# KiCad board RV523_CellTestBoard.final.kicad_pcb (continued)
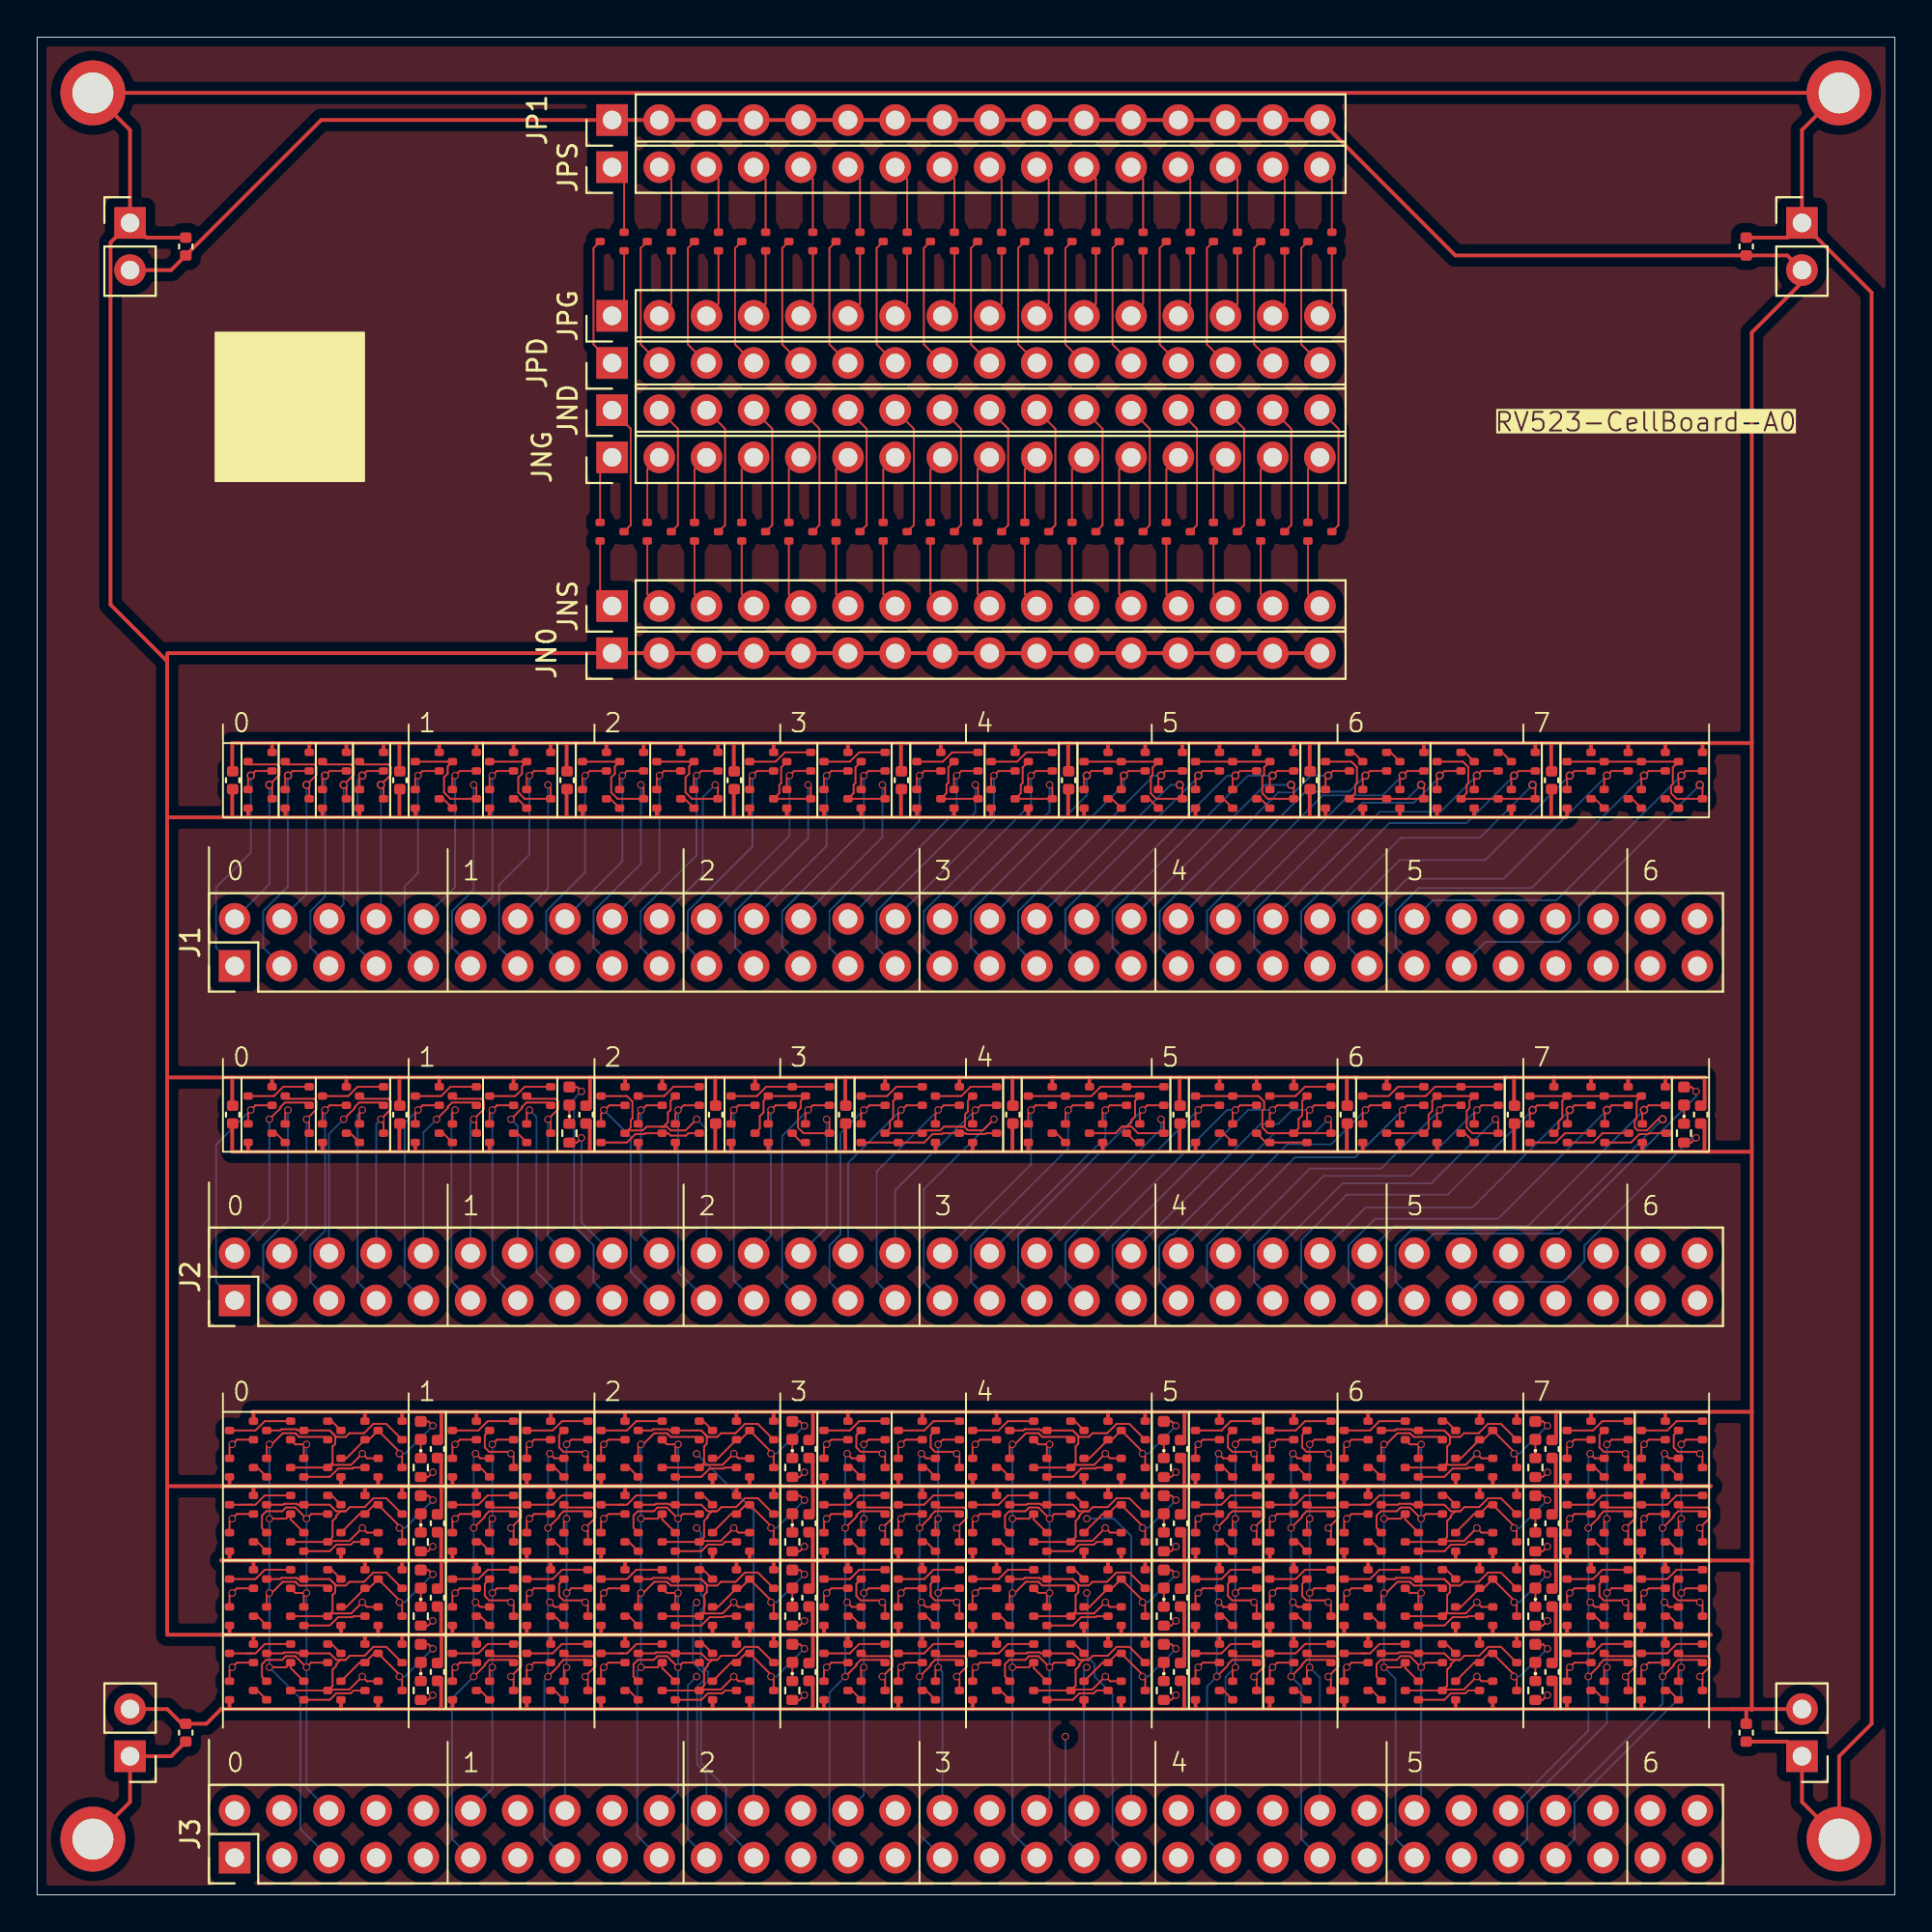
[diagram p0: board, top side]
## Routing (per net, layer and track width the routed paths; a pad name or vN(x,y) marks a point on that pad's centre or on a via; arc(x,y) is an arc through that point) (continued)
genblk2[1].genblk1[1].L.NOT3.intP: length 3.5
  Top w0.1: genblk2[1].genblk1[1].L.NOT3.P2.2 35.75,18.5 36.1,18.85 36.88,18.85 37.03,19 genblk2[1].genblk1[1].L.NOT3.P1.3
genblk2[1].genblk1[1].nQ: length 31.5
  Top w0.1: 36.61,20.65 36.1,20.65 35.75,21 genblk2[1].genblk1[1].L.NOT3.N2.3 34.03,21 33.98,21.05 33.31,21.05 33.26,21 genblk2[1].genblk1[1].L.NOT1.N2.3 ; 36.61,20.65 36.33,20.65 36.1,20.42 36.1,20.33 35.9,20.13 35.9,19.26 genblk2[1].genblk1[1].L.NOT3.P2.3 ; 36.61,20.65 36.83,20.87 37.62,20.87 38.1,21.35 38.79,21.35 genblk2[1].genblk1[1].L.NOT2.N1.1 ; genblk2[1].genblk1[1].R1.P1.1 42.35,20.11 v2(42.5,20.25) 42.75,20.5 genblk2[1].genblk1[1].R1.N1.1 ; genblk2[1].genblk1[1].L.NOT3.P2.3 35.7,19.05 36.8,19.05 v2(37.5,19.75) 37.75,19.5 genblk2[1].genblk1[1].L.NOT2.P1.1 ; genblk2[1].genblk1[1].L.NOT3.P2.3 genblk2[1].genblk1[1].L.NOT1.P2.3 ; genblk2[1].genblk1[1].R2.N1.1 46.75,20.5 v2(46.5,20.25) 46.35,20.11 genblk2[1].genblk1[1].R2.P1.1
  In2.Cu w0.1: 44.2,19.35 43.12,19.35 42.5,19.97 v2(42.5,20.25) ; 44.2,19.35 45.88,19.35 46.5,19.97 v2(46.5,20.25) ; 44.2,19.35 41.55,19.35 41.55,19.35 41.05,19.35 41.05,19.35 37.9,19.35 v2(37.5,19.75)
genblk2[1].genblk1[1].Q: length 8.3
  Top w0.1: v2(41.3,21.25) 41.06,21.48 genblk2[1].genblk1[1].D.L.2 ; genblk2[1].genblk1[1].L.NOT3.P1.1 37.35,20.5 genblk2[1].genblk1[1].L.NOT3.N1.1 38.15,21 genblk2[1].genblk1[1].L.NOT2.N1.3 39.5,19.86 v2(39.5,19.75) 39.65,19.61 genblk2[1].genblk1[1].L.NOT2.P1.3
  Bottom w0.1: v2(39.5,19.75) 39.8,19.75 v2(41.3,21.25)
genblk2[1].genblk1[1].R1.intN: length 3.5
  Top w0.1: genblk2[1].genblk1[1].R1.N1.3 43.75,21 44.25,21.5 genblk2[1].genblk1[1].R1.N2.2
genblk2[1].genblk1[1].R1.intP: length 0.9
  Top w0.1: genblk2[1].genblk1[1].R1.P1.3 43.85,19 genblk2[1].genblk1[1].R1.P2.2
genblk2[1].genblk1[1].R2.intN: length 3.5
  Top w0.1: genblk2[1].genblk1[1].R2.N1.3 47.75,21 48.25,21.5 genblk2[1].genblk1[1].R2.N2.2
genblk2[1].genblk1[1].R2.intP: length 0.9
  Top w0.1: genblk2[1].genblk1[1].R2.P1.3 47.85,19 genblk2[1].genblk1[1].R2.P2.2
genblk2[1].genblk1[2].D.i: length 1
  Top w0.1: genblk2[1].genblk1[2].D.L.1 genblk2[1].genblk1[2].D.R.1
genblk2[1].genblk1[2].L.NOT1.intN: length 0.9
  Top w0.1: genblk2[1].genblk1[2].L.NOT1.N2.2 31.86,15 genblk2[1].genblk1[2].L.NOT1.N1.3
genblk2[1].genblk1[2].L.NOT1.intP: length 3.5
  Top w0.1: genblk2[1].genblk1[2].L.NOT1.P2.2 32.25,17.5 31.75,17 genblk2[1].genblk1[2].L.NOT1.P1.3
genblk2[1].genblk1[2].L.NOT3.intN: length 3.5
  Top w0.1: genblk2[1].genblk1[2].L.NOT3.N1.3 37.03,15 36.98,14.95 36.2,14.95 35.75,14.5 genblk2[1].genblk1[2].L.NOT3.N2.2
genblk2[1].genblk1[2].L.NOT3.intP: length 0.9
  Top w0.1: genblk2[1].genblk1[2].L.NOT3.P2.2 35.85,17.5 genblk2[1].genblk1[2].L.NOT3.P1.3
genblk2[1].genblk1[2].nQ: length 31.5
  Top w0.1: genblk2[1].genblk1[2].R1.P1.1 42.75,16.5 v2(42.5,16.25) 42.35,16.11 genblk2[1].genblk1[2].R1.N1.1 ; genblk2[1].genblk1[2].R2.P1.1 46.75,16.5 v2(46.5,16.25) 46.35,16.11 genblk2[1].genblk1[2].R2.N1.1 ; genblk2[1].genblk1[2].L.NOT2.P1.1 38.79,17.35 38.1,17.35 37.6,16.85 36.81,16.85 36.61,16.65 36.1,16.65 35.75,17 genblk2[1].genblk1[2].L.NOT3.P2.3 34.03,17 33.97,17.06 33.15,17.06 33.09,17 genblk2[1].genblk1[2].L.NOT1.P2.3 ; genblk2[1].genblk1[2].L.NOT3.N2.3 35.9,15.26 35.9,16.14 36.05,16.28 36.05,16.7 35.81,16.93 ; genblk2[1].genblk1[2].L.NOT3.N2.3 genblk2[1].genblk1[2].L.NOT1.N2.3 ; genblk2[1].genblk1[2].L.NOT3.N2.3 35.79,15.15 36.9,15.15 v2(37.5,15.75) 37.75,15.5 genblk2[1].genblk1[2].L.NOT2.N1.1
  In2.Cu w0.1: v2(37.5,15.75) 37.9,15.35 44.2,15.35 ; v2(42.5,16.25) 42.5,15.97 43.12,15.35 44.2,15.35 ; v2(46.5,16.25) 46.5,15.97 45.88,15.35 44.2,15.35
genblk2[1].genblk1[2].Q: length 8.3
  Top w0.1: genblk2[1].genblk1[2].L.NOT2.N1.3 39.65,15.61 v2(39.5,15.75) 39.5,15.86 genblk2[1].genblk1[2].L.NOT2.P1.3 37.85,16.5 genblk2[1].genblk1[2].L.NOT3.P1.1 36.65,15.5 genblk2[1].genblk1[2].L.NOT3.N1.1 ; v2(41.3,17.25) 41.06,17.48 genblk2[1].genblk1[2].D.L.2
  Bottom w0.1: v2(41.3,17.25) 39.8,15.75 v2(39.5,15.75)
genblk2[1].genblk1[2].R1.intN: length 0.9
  Top w0.1: genblk2[1].genblk1[2].R1.N2.2 43.85,15 genblk2[1].genblk1[2].R1.N1.3
genblk2[1].genblk1[2].R1.intP: length 3.5
  Top w0.1: genblk2[1].genblk1[2].R1.P2.2 44.25,17.5 43.75,17 genblk2[1].genblk1[2].R1.P1.3
genblk2[1].genblk1[2].R2.intN: length 0.9
  Top w0.1: genblk2[1].genblk1[2].R2.N1.3 47.85,15 genblk2[1].genblk1[2].R2.N2.2
genblk2[1].genblk1[2].R2.intP: length 3.5
  Top w0.1: genblk2[1].genblk1[2].R2.P2.2 48.25,17.5 47.75,17 genblk2[1].genblk1[2].R2.P1.3
genblk2[1].genblk1[3].D.i: length 1
  Top w0.1: genblk2[1].genblk1[3].D.L.1 genblk2[1].genblk1[3].D.R.1
genblk2[1].genblk1[3].L.NOT1.intN: length 3.7
  Top w0.1: 31.56,13 31.56,13 31.32,13 ; genblk2[1].genblk1[3].L.NOT1.N2.2 32.25,13.5 31.75,13 31.32,13 ; genblk2[1].genblk1[3].L.NOT1.N1.3 31.32,13
genblk2[1].genblk1[3].L.NOT1.intP: length 0.9
  Top w0.1: genblk2[1].genblk1[3].L.NOT1.P1.3 31.86,11 genblk2[1].genblk1[3].L.NOT1.P2.2
genblk2[1].genblk1[3].L.NOT3.intN: length 0.9
  Top w0.1: genblk2[1].genblk1[3].L.NOT3.N2.2 35.85,13.5 genblk2[1].genblk1[3].L.NOT3.N1.3
genblk2[1].genblk1[3].L.NOT3.intP: length 3.5
  Top w0.1: genblk2[1].genblk1[3].L.NOT3.P2.2 35.75,10.5 36.1,10.85 36.88,10.85 37.03,11 genblk2[1].genblk1[3].L.NOT3.P1.3
genblk2[1].genblk1[3].nQ: length 31.6
  Top w0.1: genblk2[1].genblk1[3].R1.P1.1 42.35,12.11 v2(42.5,12.25) 42.75,12.5 genblk2[1].genblk1[3].R1.N1.1 ; genblk2[1].genblk1[3].R2.N1.1 46.75,12.5 v2(46.5,12.25) 46.35,12.11 genblk2[1].genblk1[3].R2.P1.1 ; genblk2[1].genblk1[3].L.NOT1.N2.3 33.26,13 33.31,13.05 33.98,13.05 34.03,13 genblk2[1].genblk1[3].L.NOT3.N2.3 35.75,13 36.1,12.65 36.61,12.65 ; genblk2[1].genblk1[3].L.NOT1.P2.3 genblk2[1].genblk1[3].L.NOT3.P2.3 ; genblk2[1].genblk1[3].L.NOT3.P2.3 35.9,11.26 35.9,12.13 36.1,12.33 36.1,12.42 36.33,12.65 36.61,12.65 ; genblk2[1].genblk1[3].L.NOT3.P2.3 35.7,11.05 36.8,11.05 v2(37.5,11.75) 37.75,11.5 genblk2[1].genblk1[3].L.NOT2.P1.1 ; genblk2[1].genblk1[3].L.NOT2.N1.1 38.79,13.35 38.1,13.35 37.62,12.87 36.83,12.87 36.61,12.65
  In2.Cu w0.1: 44,11.35 43.12,11.35 42.5,11.97 v2(42.5,12.25) ; 44,11.35 41.55,11.35 40.75,12.15 37.9,12.15 v2(37.5,11.75) ; 44,11.35 45.75,11.35 46.5,12.1 v2(46.5,12.25)
genblk2[1].genblk1[3].Q: length 8.3
  Top w0.1: v2(41.3,13.25) 41.06,13.48 genblk2[1].genblk1[3].D.L.2 ; genblk2[1].genblk1[3].L.NOT3.P1.1 37.35,12.5 genblk2[1].genblk1[3].L.NOT3.N1.1 38.15,13 genblk2[1].genblk1[3].L.NOT2.N1.3 39.5,11.86 v2(39.5,11.75) 39.65,11.61 genblk2[1].genblk1[3].L.NOT2.P1.3
  Bottom w0.1: v2(41.3,13.25) 39.8,11.75 v2(39.5,11.75)
genblk2[1].genblk1[3].R1.intN: length 3.5
  Top w0.1: genblk2[1].genblk1[3].R1.N1.3 43.75,13 44.25,13.5 genblk2[1].genblk1[3].R1.N2.2
genblk2[1].genblk1[3].R1.intP: length 0.9
  Top w0.1: genblk2[1].genblk1[3].R1.P1.3 43.85,11 genblk2[1].genblk1[3].R1.P2.2
genblk2[1].genblk1[3].R2.intN: length 3.5
  Top w0.1: genblk2[1].genblk1[3].R2.N1.3 47.75,13 48.25,13.5 genblk2[1].genblk1[3].R2.N2.2
genblk2[1].genblk1[3].R2.intP: length 0.9
  Top w0.1: genblk2[1].genblk1[3].R2.P1.3 47.85,11 genblk2[1].genblk1[3].R2.P2.2
genblk2[2].genblk1[0].D.i: length 1
  Top w0.1: genblk2[2].genblk1[0].D.L.1 genblk2[2].genblk1[0].D.R.1
genblk2[2].genblk1[0].L.NOT1.intN: length 0.9
  Top w0.1: genblk2[2].genblk1[0].L.NOT1.N1.3 51.85,23 genblk2[2].genblk1[0].L.NOT1.N2.2
genblk2[2].genblk1[0].L.NOT1.intP: length 3.5
  Top w0.1: genblk2[2].genblk1[0].L.NOT1.P2.2 52.25,25.5 51.75,25 genblk2[2].genblk1[0].L.NOT1.P1.3
genblk2[2].genblk1[0].L.NOT3.intN: length 3.5
  Top w0.1: genblk2[2].genblk1[0].L.NOT3.N2.2 55.75,22.5 56.2,22.95 56.98,22.95 57.03,23 genblk2[2].genblk1[0].L.NOT3.N1.3
genblk2[2].genblk1[0].L.NOT3.intP: length 0.9
  Top w0.1: genblk2[2].genblk1[0].L.NOT3.P1.3 55.85,25.5 genblk2[2].genblk1[0].L.NOT3.P2.2
genblk2[2].genblk1[0].nQ: length 30.6
  Top w0.1: genblk2[2].genblk1[0].R1.P1.1 62.75,24.5 v2(62.5,24.25) 62.35,24.11 genblk2[2].genblk1[0].R1.N1.1 ; genblk2[2].genblk1[0].L.NOT1.P2.3 53.09,25 53.15,25.06 53.97,25.06 54.03,25 genblk2[2].genblk1[0].L.NOT3.P2.3 55.75,25 56.1,24.65 56.61,24.65 56.81,24.85 57.6,24.85 58.1,25.35 58.79,25.35 genblk2[2].genblk1[0].L.NOT2.P1.1 ; genblk2[2].genblk1[0].L.NOT2.N1.1 57.75,23.5 v2(57.5,23.75) 56.9,23.15 55.79,23.15 genblk2[2].genblk1[0].L.NOT3.N2.3 ; genblk2[2].genblk1[0].L.NOT1.N2.3 genblk2[2].genblk1[0].L.NOT3.N2.3 ; genblk2[2].genblk1[0].L.NOT3.N2.3 55.9,23.26 55.9,24.14 56.05,24.28 56.05,24.7 55.81,24.93 ; genblk2[2].genblk1[0].R2.P1.1 66.75,24.5 v2(66.5,24.25) 66.36,24.11 genblk2[2].genblk1[0].R2.N1.1
  In2.Cu w0.1: 63.33,23.35 62.5,24.18 v2(62.5,24.25) ; 63.33,23.35 65.88,23.35 66.5,23.97 v2(66.5,24.25) ; 63.33,23.35 63.28,23.4 59.72,23.4 59.67,23.35 57.9,23.35 v2(57.5,23.75)
genblk2[2].genblk1[0].Q: length 8.3
  Top w0.1: genblk2[2].genblk1[0].L.NOT3.N1.1 56.65,23.5 genblk2[2].genblk1[0].L.NOT3.P1.1 57.85,24.5 genblk2[2].genblk1[0].L.NOT2.P1.3 59.5,23.86 v2(59.5,23.75) 59.65,23.61 genblk2[2].genblk1[0].L.NOT2.N1.3 ; genblk2[2].genblk1[0].D.L.2 61.06,25.48 v2(61.3,25.25)
  Bottom w0.1: v2(59.5,23.75) 59.8,23.75 v2(61.3,25.25)
genblk2[2].genblk1[0].R1.intN: length 0.9
  Top w0.1: genblk2[2].genblk1[0].R1.N2.2 63.85,23 genblk2[2].genblk1[0].R1.N1.3
genblk2[2].genblk1[0].R1.intP: length 3.5
  Top w0.1: genblk2[2].genblk1[0].R1.P1.3 63.75,25 64.25,25.5 genblk2[2].genblk1[0].R1.P2.2
genblk2[2].genblk1[0].R2.intN: length 0.9
  Top w0.1: genblk2[2].genblk1[0].R2.N2.2 67.86,23 genblk2[2].genblk1[0].R2.N1.3
genblk2[2].genblk1[0].R2.intP: length 3.5
  Top w0.1: genblk2[2].genblk1[0].R2.P2.2 68.25,25.5 67.75,25 genblk2[2].genblk1[0].R2.P1.3
genblk2[2].genblk1[1].D.i: length 1
  Top w0.1: genblk2[2].genblk1[1].D.L.1 genblk2[2].genblk1[1].D.R.1
genblk2[2].genblk1[1].L.NOT1.intN: length 3.7
  Top w0.1: 51.56,21 51.56,21 51.32,21 ; genblk2[2].genblk1[1].L.NOT1.N1.3 51.32,21 ; 51.32,21 51.75,21 52.25,21.5 genblk2[2].genblk1[1].L.NOT1.N2.2
genblk2[2].genblk1[1].L.NOT1.intP: length 0.9
  Top w0.1: genblk2[2].genblk1[1].L.NOT1.P2.2 51.85,19 genblk2[2].genblk1[1].L.NOT1.P1.3
genblk2[2].genblk1[1].L.NOT3.intN: length 0.9
  Top w0.1: genblk2[2].genblk1[1].L.NOT3.N1.3 55.85,21.5 genblk2[2].genblk1[1].L.NOT3.N2.2
genblk2[2].genblk1[1].L.NOT3.intP: length 3.5
  Top w0.1: genblk2[2].genblk1[1].L.NOT3.P2.2 55.75,18.5 56.1,18.85 56.88,18.85 57.03,19 genblk2[2].genblk1[1].L.NOT3.P1.3
genblk2[2].genblk1[1].nQ: length 31.5
  Top w0.1: genblk2[2].genblk1[1].L.NOT3.P2.3 55.7,19.05 56.8,19.05 v2(57.5,19.75) 57.75,19.5 genblk2[2].genblk1[1].L.NOT2.P1.1 ; genblk2[2].genblk1[1].L.NOT3.P2.3 genblk2[2].genblk1[1].L.NOT1.P2.3 ; genblk2[2].genblk1[1].L.NOT3.P2.3 55.9,19.26 55.9,20.13 56.1,20.33 56.1,20.42 56.33,20.65 56.61,20.65 ; genblk2[2].genblk1[1].L.NOT1.N2.3 53.26,21 53.31,21.05 53.98,21.05 54.03,21 genblk2[2].genblk1[1].L.NOT3.N2.3 55.75,21 56.1,20.65 56.61,20.65 ; genblk2[2].genblk1[1].R1.N1.1 62.75,20.5 v2(62.5,20.25) 62.35,20.11 genblk2[2].genblk1[1].R1.P1.1 ; 56.61,20.65 56.83,20.87 57.62,20.87 58.1,21.35 58.79,21.35 genblk2[2].genblk1[1].L.NOT2.N1.1 ; genblk2[2].genblk1[1].R2.N1.1 66.75,20.5 v2(66.5,20.25) 66.36,20.11 genblk2[2].genblk1[1].R2.P1.1
  In2.Cu w0.1: 64.2,19.35 61.55,19.35 61.55,19.35 61.05,19.35 61.05,19.35 57.9,19.35 v2(57.5,19.75) ; 64.2,19.35 63.12,19.35 62.5,19.97 v2(62.5,20.25) ; 64.2,19.35 65.88,19.35 66.5,19.97 v2(66.5,20.25)
genblk2[2].genblk1[1].Q: length 8.3
  Top w0.1: v2(61.3,21.25) 61.06,21.48 genblk2[2].genblk1[1].D.L.2 ; genblk2[2].genblk1[1].L.NOT3.P1.1 57.35,20.5 genblk2[2].genblk1[1].L.NOT3.N1.1 58.15,21 genblk2[2].genblk1[1].L.NOT2.N1.3 59.5,19.86 v2(59.5,19.75) 59.65,19.61 genblk2[2].genblk1[1].L.NOT2.P1.3
  Bottom w0.1: v2(59.5,19.75) 59.8,19.75 v2(61.3,21.25)
genblk2[2].genblk1[1].R1.intN: length 3.5
  Top w0.1: genblk2[2].genblk1[1].R1.N1.3 63.75,21 64.25,21.5 genblk2[2].genblk1[1].R1.N2.2
genblk2[2].genblk1[1].R1.intP: length 0.9
  Top w0.1: genblk2[2].genblk1[1].R1.P1.3 63.85,19 genblk2[2].genblk1[1].R1.P2.2
genblk2[2].genblk1[1].R2.intN: length 3.5
  Top w0.1: genblk2[2].genblk1[1].R2.N1.3 67.75,21 68.25,21.5 genblk2[2].genblk1[1].R2.N2.2
genblk2[2].genblk1[1].R2.intP: length 0.9
  Top w0.1: genblk2[2].genblk1[1].R2.P2.2 67.86,19 genblk2[2].genblk1[1].R2.P1.3
genblk2[2].genblk1[2].D.i: length 1
  Top w0.1: genblk2[2].genblk1[2].D.L.1 genblk2[2].genblk1[2].D.R.1
genblk2[2].genblk1[2].L.NOT1.intN: length 0.9
  Top w0.1: genblk2[2].genblk1[2].L.NOT1.N1.3 51.85,15 genblk2[2].genblk1[2].L.NOT1.N2.2
genblk2[2].genblk1[2].L.NOT1.intP: length 3.5
  Top w0.1: genblk2[2].genblk1[2].L.NOT1.P1.3 51.75,17 52.25,17.5 genblk2[2].genblk1[2].L.NOT1.P2.2
genblk2[2].genblk1[2].L.NOT3.intN: length 3.5
  Top w0.1: genblk2[2].genblk1[2].L.NOT3.N1.3 57.03,15 56.98,14.95 56.2,14.95 55.75,14.5 genblk2[2].genblk1[2].L.NOT3.N2.2
genblk2[2].genblk1[2].L.NOT3.intP: length 0.9
  Top w0.1: genblk2[2].genblk1[2].L.NOT3.P2.2 55.85,17.5 genblk2[2].genblk1[2].L.NOT3.P1.3
genblk2[2].genblk1[2].nQ: length 31.5
  Top w0.1: genblk2[2].genblk1[2].L.NOT1.N2.3 genblk2[2].genblk1[2].L.NOT3.N2.3 ; genblk2[2].genblk1[2].L.NOT3.N2.3 55.9,15.26 55.9,16.14 56.05,16.28 56.05,16.7 55.81,16.93 ; genblk2[2].genblk1[2].L.NOT3.N2.3 55.79,15.15 56.9,15.15 v2(57.5,15.75) 57.75,15.5 genblk2[2].genblk1[2].L.NOT2.N1.1 ; genblk2[2].genblk1[2].L.NOT2.P1.1 58.79,17.35 58.1,17.35 57.6,16.85 56.81,16.85 56.61,16.65 56.1,16.65 55.75,17 genblk2[2].genblk1[2].L.NOT3.P2.3 54.03,17 53.97,17.06 53.15,17.06 53.09,17 genblk2[2].genblk1[2].L.NOT1.P2.3 ; genblk2[2].genblk1[2].R2.P1.1 66.75,16.5 v2(66.5,16.25) 66.36,16.11 genblk2[2].genblk1[2].R2.N1.1 ; genblk2[2].genblk1[2].R1.N1.1 62.35,16.11 v2(62.5,16.25) 62.75,16.5 genblk2[2].genblk1[2].R1.P1.1
  In2.Cu w0.1: 64.2,15.35 65.88,15.35 66.5,15.97 v2(66.5,16.25) ; 64.2,15.35 63.12,15.35 62.5,15.97 v2(62.5,16.25) ; 64.2,15.35 57.9,15.35 v2(57.5,15.75)
genblk2[2].genblk1[2].Q: length 8.3
  Top w0.1: genblk2[2].genblk1[2].L.NOT2.N1.3 59.65,15.61 v2(59.5,15.75) 59.5,15.86 genblk2[2].genblk1[2].L.NOT2.P1.3 57.85,16.5 genblk2[2].genblk1[2].L.NOT3.P1.1 56.65,15.5 genblk2[2].genblk1[2].L.NOT3.N1.1 ; v2(61.3,17.25) 61.06,17.48 genblk2[2].genblk1[2].D.L.2
  Bottom w0.1: v2(59.5,15.75) 59.8,15.75 v2(61.3,17.25)
genblk2[2].genblk1[2].R1.intN: length 0.9
  Top w0.1: genblk2[2].genblk1[2].R1.N2.2 63.85,15 genblk2[2].genblk1[2].R1.N1.3
genblk2[2].genblk1[2].R1.intP: length 3.5
  Top w0.1: genblk2[2].genblk1[2].R1.P2.2 64.25,17.5 63.75,17 genblk2[2].genblk1[2].R1.P1.3
genblk2[2].genblk1[2].R2.intN: length 0.9
  Top w0.1: genblk2[2].genblk1[2].R2.N2.2 67.86,15 genblk2[2].genblk1[2].R2.N1.3
genblk2[2].genblk1[2].R2.intP: length 3.5
  Top w0.1: genblk2[2].genblk1[2].R2.P2.2 68.25,17.5 67.75,17 genblk2[2].genblk1[2].R2.P1.3
genblk2[2].genblk1[3].D.i: length 1
  Top w0.1: genblk2[2].genblk1[3].D.L.1 genblk2[2].genblk1[3].D.R.1
genblk2[2].genblk1[3].L.NOT1.intN: length 3.7
  Top w0.1: 51.56,13 51.56,13 51.32,13 ; genblk2[2].genblk1[3].L.NOT1.N2.2 52.25,13.5 51.75,13 51.32,13 ; genblk2[2].genblk1[3].L.NOT1.N1.3 51.32,13
genblk2[2].genblk1[3].L.NOT1.intP: length 0.9
  Top w0.1: genblk2[2].genblk1[3].L.NOT1.P1.3 51.85,11 genblk2[2].genblk1[3].L.NOT1.P2.2
genblk2[2].genblk1[3].L.NOT3.intN: length 0.9
  Top w0.1: genblk2[2].genblk1[3].L.NOT3.N2.2 55.85,13.5 genblk2[2].genblk1[3].L.NOT3.N1.3
genblk2[2].genblk1[3].L.NOT3.intP: length 3.5
  Top w0.1: genblk2[2].genblk1[3].L.NOT3.P2.2 55.75,10.5 56.1,10.85 56.88,10.85 57.03,11 genblk2[2].genblk1[3].L.NOT3.P1.3
genblk2[2].genblk1[3].nQ: length 31.9
  Top w0.1: 56.61,12.65 56.33,12.65 56.1,12.42 56.1,12.33 55.9,12.13 55.9,11.26 genblk2[2].genblk1[3].L.NOT3.P2.3 ; 56.61,12.65 56.83,12.87 57.62,12.87 58.1,13.35 58.79,13.35 genblk2[2].genblk1[3].L.NOT2.N1.1 ; 56.61,12.65 56.1,12.65 55.75,13 genblk2[2].genblk1[3].L.NOT3.N2.3 54.03,13 53.98,13.05 53.31,13.05 53.26,13 genblk2[2].genblk1[3].L.NOT1.N2.3 ; genblk2[2].genblk1[3].R1.N1.1 62.75,12.5 v2(62.5,12.25) 62.35,12.11 genblk2[2].genblk1[3].R1.P1.1 ; genblk2[2].genblk1[3].L.NOT2.P1.1 57.75,11.5 v2(57.5,11.75) 56.8,11.05 55.7,11.05 genblk2[2].genblk1[3].L.NOT3.P2.3 ; genblk2[2].genblk1[3].L.NOT1.P2.3 genblk2[2].genblk1[3].L.NOT3.P2.3 ; genblk2[2].genblk1[3].R2.N1.1 66.75,12.5 v2(66.5,12.25) 66.36,12.11 genblk2[2].genblk1[3].R2.P1.1
  In2.Cu w0.1: 64.3,11.35 63.12,11.35 62.5,11.97 v2(62.5,12.25) ; 64.3,11.35 65.88,11.35 66.5,11.97 v2(66.5,12.25) ; 64.3,11.35 61.55,11.35 60.75,12.15 57.9,12.15 v2(57.5,11.75)
genblk2[2].genblk1[3].Q: length 8.3
  Top w0.1: genblk2[2].genblk1[3].L.NOT3.P1.1 57.35,12.5 genblk2[2].genblk1[3].L.NOT3.N1.1 58.15,13 genblk2[2].genblk1[3].L.NOT2.N1.3 59.5,11.86 v2(59.5,11.75) 59.65,11.61 genblk2[2].genblk1[3].L.NOT2.P1.3 ; v2(61.3,13.25) 61.06,13.48 genblk2[2].genblk1[3].D.L.2
  Bottom w0.1: v2(61.3,13.25) 59.8,11.75 v2(59.5,11.75)
genblk2[2].genblk1[3].R1.intN: length 3.5
  Top w0.1: genblk2[2].genblk1[3].R1.N2.2 64.25,13.5 63.75,13 genblk2[2].genblk1[3].R1.N1.3
genblk2[2].genblk1[3].R1.intP: length 0.9
  Top w0.1: genblk2[2].genblk1[3].R1.P2.2 63.85,11 genblk2[2].genblk1[3].R1.P1.3
genblk2[2].genblk1[3].R2.intN: length 3.5
  Top w0.1: genblk2[2].genblk1[3].R2.N1.3 67.75,13 68.25,13.5 genblk2[2].genblk1[3].R2.N2.2
genblk2[2].genblk1[3].R2.intP: length 0.9
  Top w0.1: genblk2[2].genblk1[3].R2.P1.3 67.86,11 genblk2[2].genblk1[3].R2.P2.2
genblk2[3].genblk1[0].D.i: length 1
  Top w0.1: genblk2[3].genblk1[0].D.L.1 genblk2[3].genblk1[0].D.R.1
genblk2[3].genblk1[0].L.NOT1.intN: length 0.9
  Top w0.1: genblk2[3].genblk1[0].L.NOT1.N1.3 71.86,23 genblk2[3].genblk1[0].L.NOT1.N2.2
genblk2[3].genblk1[0].L.NOT1.intP: length 3.5
  Top w0.1: genblk2[3].genblk1[0].L.NOT1.P2.2 72.25,25.5 71.75,25 genblk2[3].genblk1[0].L.NOT1.P1.3
genblk2[3].genblk1[0].L.NOT3.intN: length 3.5
  Top w0.1: genblk2[3].genblk1[0].L.NOT3.N2.2 75.75,22.5 76.2,22.95 76.98,22.95 77.03,23 genblk2[3].genblk1[0].L.NOT3.N1.3
genblk2[3].genblk1[0].L.NOT3.intP: length 0.9
  Top w0.1: genblk2[3].genblk1[0].L.NOT3.P2.2 75.86,25.5 genblk2[3].genblk1[0].L.NOT3.P1.3
genblk2[3].genblk1[0].nQ: length 30.9
  Top w0.1: genblk2[3].genblk1[0].L.NOT2.N1.1 77.75,23.5 v2(77.5,23.75) 76.9,23.15 75.79,23.15 genblk2[3].genblk1[0].L.NOT3.N2.3 ; genblk2[3].genblk1[0].L.NOT2.P1.1 78.79,25.35 78.1,25.35 77.6,24.85 76.81,24.85 76.61,24.65 76.1,24.65 75.75,25 genblk2[3].genblk1[0].L.NOT3.P2.3 74.03,25 73.97,25.06 73.15,25.06 73.09,25 genblk2[3].genblk1[0].L.NOT1.P2.3 ; 75.81,24.93 76.05,24.7 76.05,24.28 75.9,24.14 75.9,23.26 genblk2[3].genblk1[0].L.NOT3.N2.3 ; genblk2[3].genblk1[0].L.NOT3.N2.3 genblk2[3].genblk1[0].L.NOT1.N2.3 ; genblk2[3].genblk1[0].R1.N1.1 82.36,24.11 v2(82.5,24.25) 82.75,24.5 genblk2[3].genblk1[0].R1.P1.1 ; genblk2[3].genblk1[0].R2.P1.1 86.75,24.5 v2(86.5,24.25) 86.36,24.11 genblk2[3].genblk1[0].R2.N1.1
  In2.Cu w0.1: 83.6,23.35 83.12,23.35 82.5,23.97 v2(82.5,24.25) ; v2(86.5,24.25) 86.5,23.97 85.88,23.35 77.9,23.35 v2(77.5,23.75)
genblk2[3].genblk1[0].Q: length 8.3
  Top w0.1: genblk2[3].genblk1[0].D.L.2 81.06,25.48 v2(81.3,25.25) ; genblk2[3].genblk1[0].L.NOT3.N1.1 76.64,23.5 genblk2[3].genblk1[0].L.NOT3.P1.1 77.86,24.5 genblk2[3].genblk1[0].L.NOT2.P1.3 79.5,23.86 v2(79.5,23.75) 79.64,23.61 genblk2[3].genblk1[0].L.NOT2.N1.3
  Bottom w0.1: v2(79.5,23.75) 79.8,23.75 v2(81.3,25.25)
genblk2[3].genblk1[0].R1.intN: length 0.9
  Top w0.1: genblk2[3].genblk1[0].R1.N2.2 83.86,23 genblk2[3].genblk1[0].R1.N1.3
genblk2[3].genblk1[0].R1.intP: length 3.5
  Top w0.1: genblk2[3].genblk1[0].R1.P2.2 84.25,25.5 83.75,25 genblk2[3].genblk1[0].R1.P1.3
genblk2[3].genblk1[0].R2.intN: length 0.9
  Top w0.1: genblk2[3].genblk1[0].R2.N2.2 87.86,23 genblk2[3].genblk1[0].R2.N1.3
genblk2[3].genblk1[0].R2.intP: length 3.5
  Top w0.1: genblk2[3].genblk1[0].R2.P2.2 88.25,25.5 87.75,25 genblk2[3].genblk1[0].R2.P1.3
genblk2[3].genblk1[1].D.i: length 1
  Top w0.1: genblk2[3].genblk1[1].D.L.1 genblk2[3].genblk1[1].D.R.1
genblk2[3].genblk1[1].L.NOT1.intN: length 3.7
  Top w0.1: genblk2[3].genblk1[1].L.NOT1.N1.3 71.32,21 ; 71.32,21 71.56,21 71.56,21 ; 71.32,21 71.75,21 72.25,21.5 genblk2[3].genblk1[1].L.NOT1.N2.2
genblk2[3].genblk1[1].L.NOT1.intP: length 0.9
  Top w0.1: genblk2[3].genblk1[1].L.NOT1.P2.2 71.86,19 genblk2[3].genblk1[1].L.NOT1.P1.3
genblk2[3].genblk1[1].L.NOT3.intN: length 0.9
  Top w0.1: genblk2[3].genblk1[1].L.NOT3.N2.2 75.86,21.5 genblk2[3].genblk1[1].L.NOT3.N1.3
genblk2[3].genblk1[1].L.NOT3.intP: length 3.5
  Top w0.1: genblk2[3].genblk1[1].L.NOT3.P2.2 75.75,18.5 76.1,18.85 76.88,18.85 77.03,19 genblk2[3].genblk1[1].L.NOT3.P1.3
genblk2[3].genblk1[1].nQ: length 30.8
  Top w0.1: 76.61,20.65 76.1,20.65 75.75,21 genblk2[3].genblk1[1].L.NOT3.N2.3 74.03,21 73.98,21.05 73.31,21.05 73.26,21 genblk2[3].genblk1[1].L.NOT1.N2.3 ; 76.61,20.65 76.83,20.87 77.62,20.87 78.1,21.35 78.79,21.35 genblk2[3].genblk1[1].L.NOT2.N1.1 ; 76.61,20.65 76.33,20.65 76.1,20.42 76.1,20.33 75.9,20.13 75.9,19.26 genblk2[3].genblk1[1].L.NOT3.P2.3 ; genblk2[3].genblk1[1].L.NOT1.P2.3 genblk2[3].genblk1[1].L.NOT3.P2.3 ; genblk2[3].genblk1[1].L.NOT3.P2.3 75.7,19.05 76.8,19.05 v2(77.5,19.75) 77.75,19.5 genblk2[3].genblk1[1].L.NOT2.P1.1 ; genblk2[3].genblk1[1].R1.N1.1 82.75,20.5 v2(82.5,20.25) 82.36,20.11 genblk2[3].genblk1[1].R1.P1.1 ; genblk2[3].genblk1[1].R2.N1.1 86.75,20.5 v2(86.5,20.25) 86.36,20.11 genblk2[3].genblk1[1].R2.P1.1
  In2.Cu w0.1: 83.5,19.35 83.12,19.35 82.5,19.97 v2(82.5,20.25) ; 83.5,19.35 77.9,19.35 v2(77.5,19.75) ; 83.5,19.35 85.88,19.35 86.5,19.97 v2(86.5,20.25)
genblk2[3].genblk1[1].Q: length 8.3
  Top w0.1: genblk2[3].genblk1[1].D.L.2 81.06,21.48 v2(81.3,21.25) ; genblk2[3].genblk1[1].L.NOT3.P1.1 77.36,20.5 genblk2[3].genblk1[1].L.NOT3.N1.1 78.14,21 genblk2[3].genblk1[1].L.NOT2.N1.3 79.5,19.86 v2(79.5,19.75) 79.64,19.61 genblk2[3].genblk1[1].L.NOT2.P1.3
  Bottom w0.1: v2(79.5,19.75) 79.8,19.75 v2(81.3,21.25)
genblk2[3].genblk1[1].R1.intN: length 3.5
  Top w0.1: genblk2[3].genblk1[1].R1.N1.3 83.75,21 84.25,21.5 genblk2[3].genblk1[1].R1.N2.2
genblk2[3].genblk1[1].R1.intP: length 0.9
  Top w0.1: genblk2[3].genblk1[1].R1.P1.3 83.86,19 genblk2[3].genblk1[1].R1.P2.2
genblk2[3].genblk1[1].R2.intN: length 3.5
  Top w0.1: genblk2[3].genblk1[1].R2.N1.3 87.75,21 88.25,21.5 genblk2[3].genblk1[1].R2.N2.2
genblk2[3].genblk1[1].R2.intP: length 0.9
  Top w0.1: genblk2[3].genblk1[1].R2.P1.3 87.86,19 genblk2[3].genblk1[1].R2.P2.2
genblk2[3].genblk1[2].D.i: length 1
  Top w0.1: genblk2[3].genblk1[2].D.L.1 genblk2[3].genblk1[2].D.R.1
genblk2[3].genblk1[2].L.NOT1.intN: length 0.9
  Top w0.1: genblk2[3].genblk1[2].L.NOT1.N2.2 71.86,15 genblk2[3].genblk1[2].L.NOT1.N1.3
genblk2[3].genblk1[2].L.NOT1.intP: length 3.5
  Top w0.1: genblk2[3].genblk1[2].L.NOT1.P2.2 72.25,17.5 71.75,17 genblk2[3].genblk1[2].L.NOT1.P1.3
genblk2[3].genblk1[2].L.NOT3.intN: length 3.5
  Top w0.1: genblk2[3].genblk1[2].L.NOT3.N1.3 77.03,15 76.98,14.95 76.2,14.95 75.75,14.5 genblk2[3].genblk1[2].L.NOT3.N2.2
genblk2[3].genblk1[2].L.NOT3.intP: length 0.9
  Top w0.1: genblk2[3].genblk1[2].L.NOT3.P2.2 75.86,17.5 genblk2[3].genblk1[2].L.NOT3.P1.3
genblk2[3].genblk1[2].nQ: length 31.1
  Top w0.1: genblk2[3].genblk1[2].R2.P1.1 86.75,16.5 v2(86.5,16.25) 86.36,16.11 genblk2[3].genblk1[2].R2.N1.1 ; genblk2[3].genblk1[2].L.NOT3.N2.3 75.79,15.15 76.9,15.15 v2(77.5,15.75) 77.75,15.5 genblk2[3].genblk1[2].L.NOT2.N1.1 ; genblk2[3].genblk1[2].L.NOT3.N2.3 75.9,15.26 75.9,16.14 76.05,16.28 76.05,16.7 75.81,16.93 ; genblk2[3].genblk1[2].L.NOT3.N2.3 genblk2[3].genblk1[2].L.NOT1.N2.3 ; genblk2[3].genblk1[2].L.NOT1.P2.3 73.09,17 73.15,17.06 73.97,17.06 74.03,17 genblk2[3].genblk1[2].L.NOT3.P2.3 75.75,17 76.1,16.65 76.61,16.65 76.81,16.85 77.6,16.85 78.1,17.35 78.79,17.35 genblk2[3].genblk1[2].L.NOT2.P1.1 ; genblk2[3].genblk1[2].R1.P1.1 82.75,16.5 v2(82.5,16.25) 82.36,16.11 genblk2[3].genblk1[2].R1.N1.1
  In2.Cu w0.1: 83.8,15.35 77.9,15.35 v2(77.5,15.75) ; 83.8,15.35 85.88,15.35 86.5,15.97 v2(86.5,16.25) ; 83.8,15.35 83.12,15.35 82.5,15.97 v2(82.5,16.25)
genblk2[3].genblk1[2].Q: length 8.3
  Top w0.1: v2(81.3,17.25) 81.06,17.48 genblk2[3].genblk1[2].D.L.2 ; genblk2[3].genblk1[2].L.NOT3.N1.1 76.64,15.5 genblk2[3].genblk1[2].L.NOT3.P1.1 77.86,16.5 genblk2[3].genblk1[2].L.NOT2.P1.3 79.5,15.86 v2(79.5,15.75) 79.64,15.61 genblk2[3].genblk1[2].L.NOT2.N1.3
  Bottom w0.1: v2(79.5,15.75) 79.8,15.75 v2(81.3,17.25)
genblk2[3].genblk1[2].R1.intN: length 0.9
  Top w0.1: genblk2[3].genblk1[2].R1.N1.3 83.86,15 genblk2[3].genblk1[2].R1.N2.2
genblk2[3].genblk1[2].R1.intP: length 3.5
  Top w0.1: genblk2[3].genblk1[2].R1.P2.2 84.25,17.5 83.75,17 genblk2[3].genblk1[2].R1.P1.3
genblk2[3].genblk1[2].R2.intN: length 0.9
  Top w0.1: genblk2[3].genblk1[2].R2.N1.3 87.86,15 genblk2[3].genblk1[2].R2.N2.2
genblk2[3].genblk1[2].R2.intP: length 3.5
  Top w0.1: genblk2[3].genblk1[2].R2.P2.2 88.25,17.5 87.75,17 genblk2[3].genblk1[2].R2.P1.3
genblk2[3].genblk1[3].D.i: length 1
  Top w0.1: genblk2[3].genblk1[3].D.L.1 genblk2[3].genblk1[3].D.R.1
genblk2[3].genblk1[3].L.NOT1.intN: length 3.7
  Top w0.1: 71.56,13 71.56,13 71.32,13 ; 71.32,13 71.75,13 72.25,13.5 genblk2[3].genblk1[3].L.NOT1.N2.2 ; 71.32,13 genblk2[3].genblk1[3].L.NOT1.N1.3
